# Altium PCB EPS.PcbDoc (part 2 of 2) (continued)
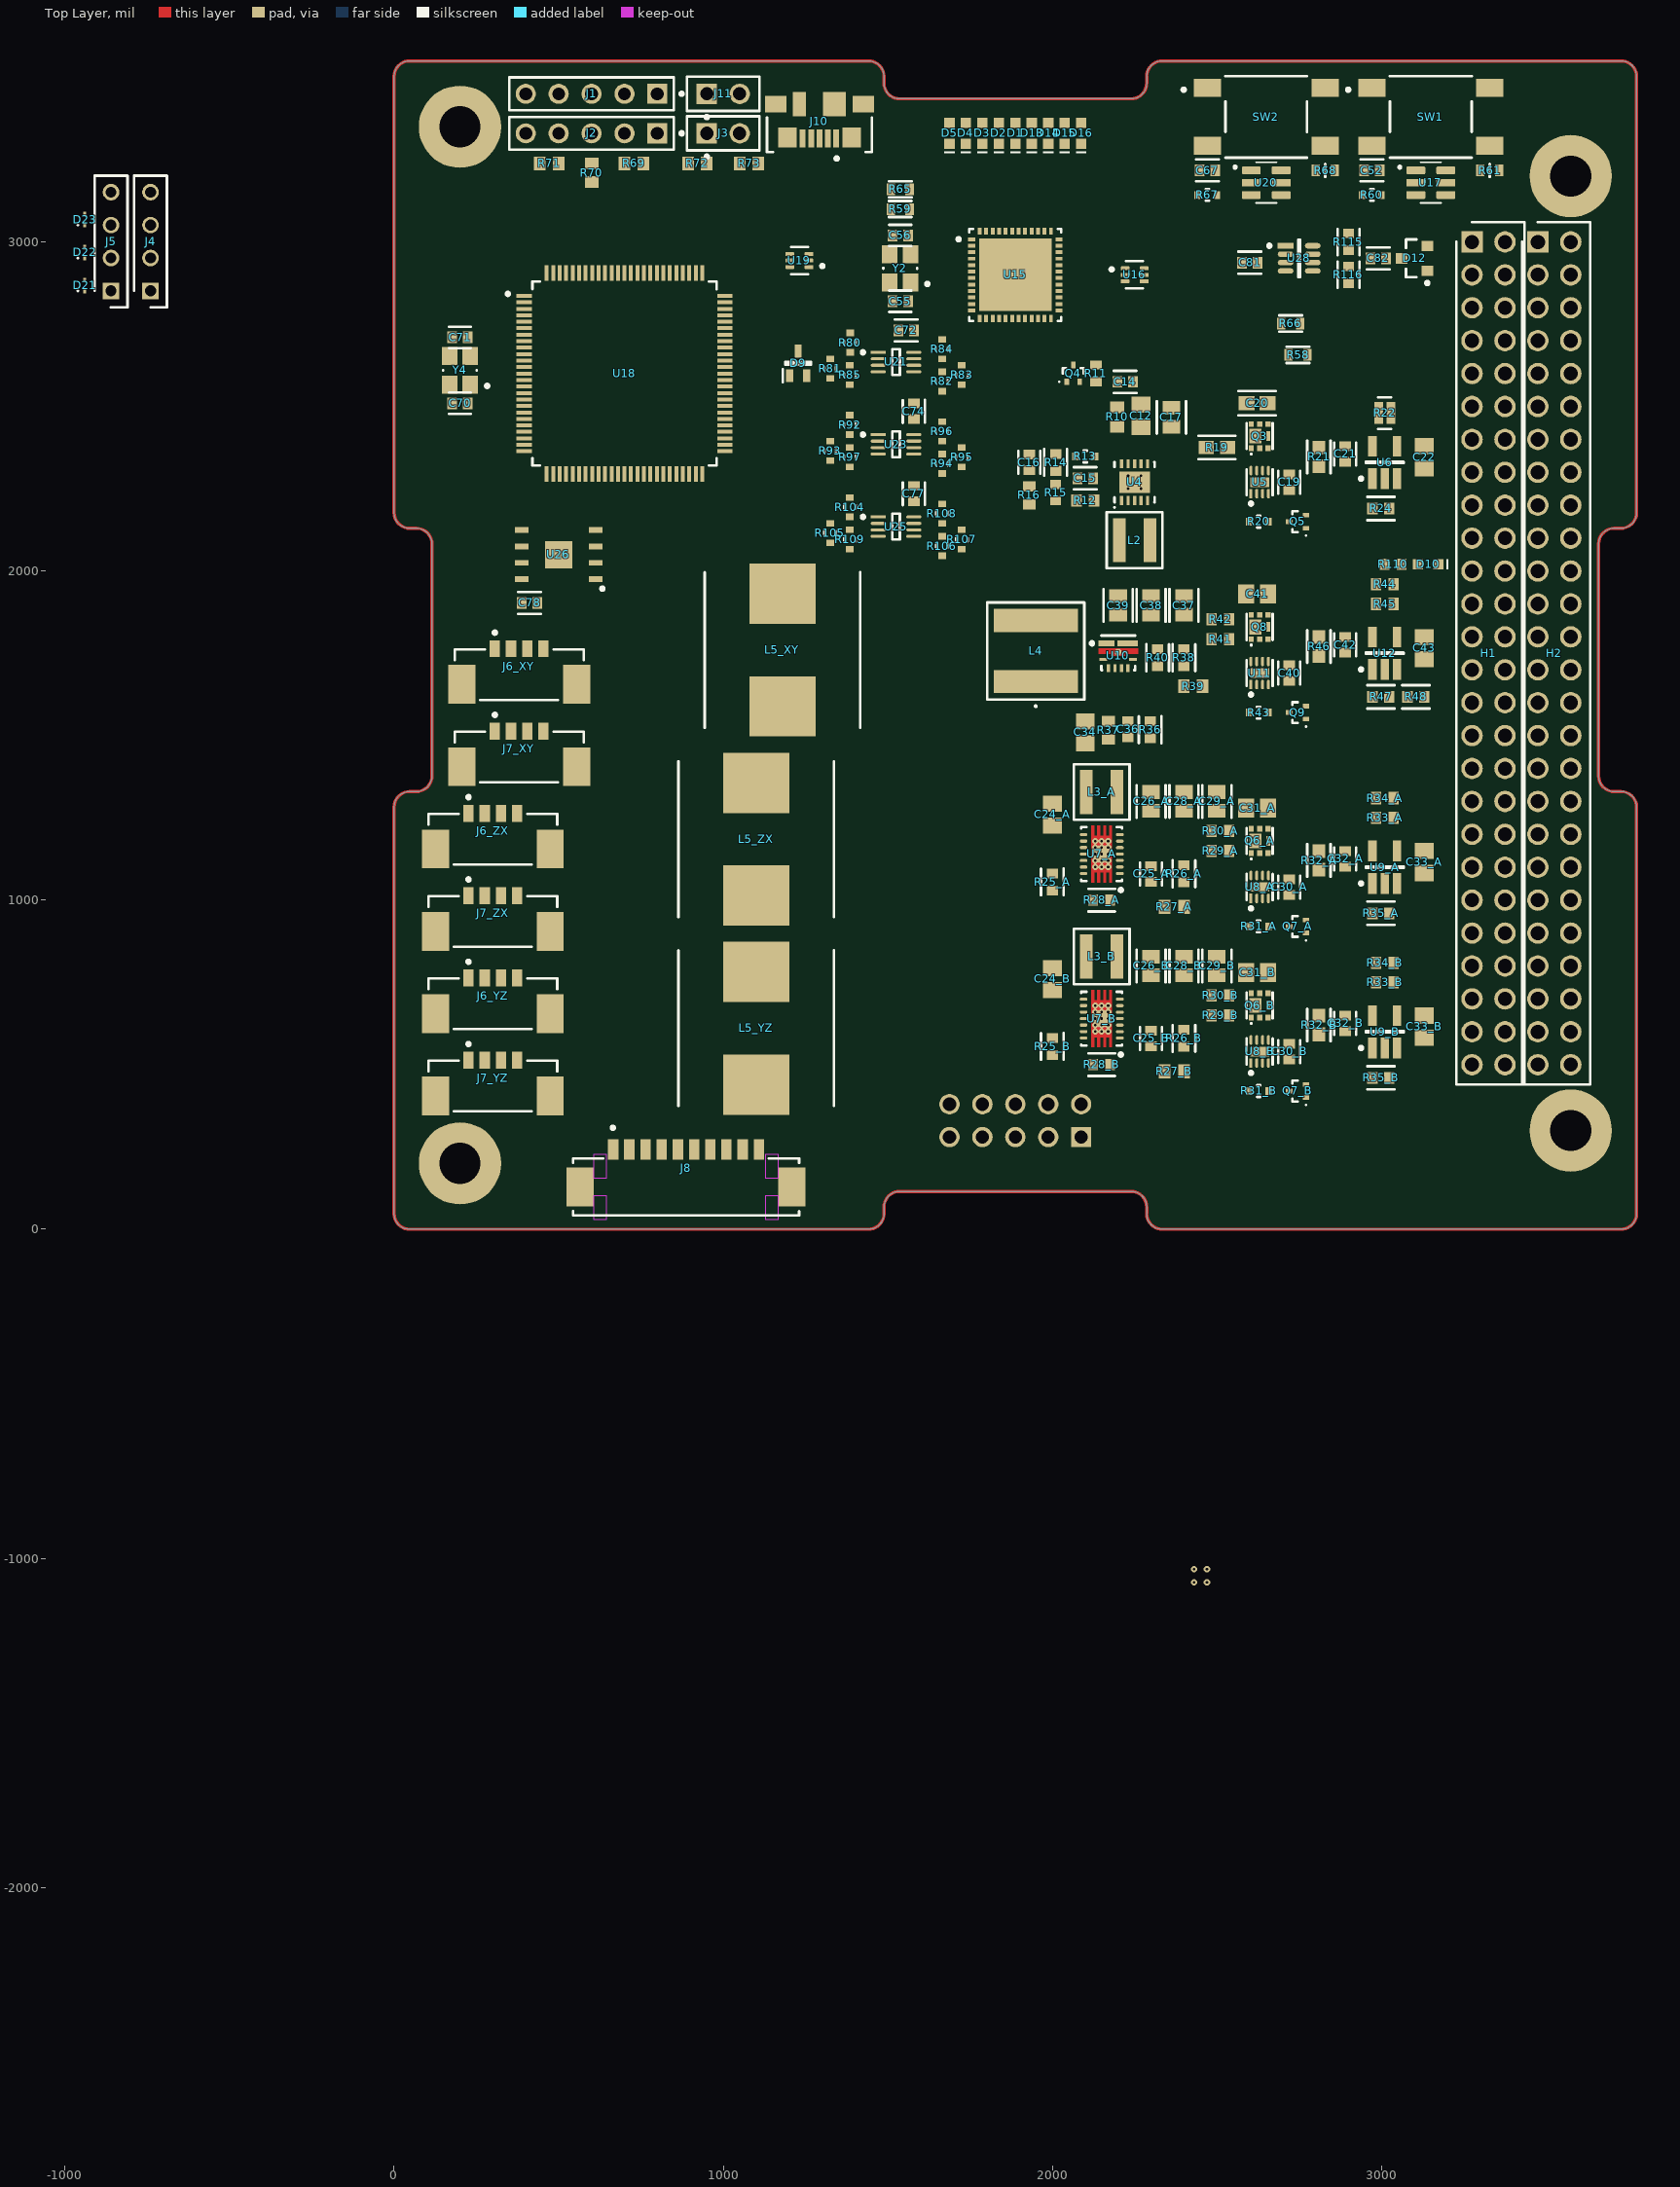
[diagram p0: Top Layer view]
## Part data (continued)
R7: library part CMP-26527-000571-1, "General Purpose Thick Film Chip Resistor, 0603, 0.5Ω, 1%, 300ppm/°C, 0.125W", Case Code (Imperial)=0603, Case Code (Metric)=1608, Max Operating Temperature=155°C, Max Power Dissipation=125mW, Min Operating Temperature=-55°C, Resistance=500mR, Resistor Type="Thick Film", Temperature Coefficient=300ppm/°C, Tolerance=1%, Case/Package=0603, Contact Plating=Tin, Height=0.022inch, Lead Free="Lead Free", Length=0.063inch, Mount="Surface Mount", Number of Terminations=2, Packaging="Tape and Reel", Power Rating=125mW, RoHS Compliant=Yes, Series=CSR, Size Code=0603, Width=0.031inch
R8: library part CMP-26527-001850-1, "General Purpose Thick Film Chip Resistor, 0603, 0.25Ω, 1%, 300ppm/°C, 0.125W", Case Code (Imperial)=0603, Case Code (Metric)=1608, Max Operating Temperature=155°C, Max Power Dissipation=125mW, Min Operating Temperature=-55°C, Resistance=250mR, Resistor Type="Thick Film", Temperature Coefficient=300ppm/°C, Tolerance=1%, Case/Package=0603, Contact Plating=Tin, Height=0.022inch, Lead Free="Lead Free", Length=0.063inch, Mount="Surface Mount", Number of Terminations=2, Packaging="Tape and Reel", RoHS Compliant=Yes, Series=CSR, Width=0.031inch
R11: library part CMP-2000-01849-1, Manufacturer="KOA Speer", Part Number=RK73B1JTTD101J
R15: library part CMP-2000-00577-1, Manufacturer=Panasonic, Part Number=ERJ-3EKF5763V
R16: library part CMP-2000-01876-1, Manufacturer="KOA Speer", Part Number=RK73B1JTTD153J
R19: library part CMP-26527-003125-1, "General Purpose Thick Film Chip Resistor, 0603, 0.2Ω, 1%, 300ppm/°C, 0.125W", Case Code (Imperial)=0603, Case Code (Metric)=1608, Max Operating Temperature=155°C, Max Power Dissipation=125mW, Min Operating Temperature=-55°C, Resistance=200mR, Resistor Type="Thick Film", Temperature Coefficient=300ppm/°C, Tolerance=1%, Case/Package=0603, Contact Plating=Tin, Height=0.022inch, Lead Free="Lead Free", Length=0.063inch, Mount="Surface Mount", Number of Terminations=2, Packaging="Tape and Reel", Radiation Hardening=No, RoHS Compliant=Yes, Series=CSR, Width=0.031inch
R21 R32_A R32_B R46 R53_M R53_N R117_XY R117_YZ R117_ZX R120_XY R120_YZ R120_ZX: library part CMP-2000-00870-2, "RES SMD 100 OHM 0.1% 1/10W 0603", Case Code (Imperial)=0603, Case Code (Metric)=1608, Max Operating Temperature=155°C, Max Power Dissipation=100mW, Min Operating Temperature=-55°C, Package Quantity=5000, Resistance=100R, Resistance Tolerance=0.1%, Resistor Type="Thin Film", Temperature Coefficient=25ppm/°C, Voltage Rating=75V, Case/Package=0603, Construction=Rectangular, Contact Plating=Tin, Depth=0.8mm, Height=0.45mm, Length=1.6mm, Military Standard=Not, Mount="Surface Mount", Number of Pins=2, Number of Terminations=2, Packaging="Tape and Reel", Power Rating=100mW, Radiation Hardening=No, REACH SVHC="No SVHC", RoHS Compliant=Yes, Series=ERA-3A, Size Code=0603, Technology="METAL FILM", Termination=SMD/SMT, Tolerance=0.1%, Width=0.8mm
R22 R118_XY R118_YZ R118_ZX R121_XY R121_YZ R121_ZX: library part CMP-28537-000948-1, "25 mOhms ±1% 0.33W Chip Resistor Wide 0306 (0816 Metric), Current Sense Thin Film", Case Code (Imperial)=0306, Case Code (Metric)=0816, Package Quantity=1000, Power Rating=330mW, Resistance=25mR, Temperature Coefficient=200ppm/°C, Tolerance=1%, Height=0.4mm, Length=1.6mm, Packaging="Tape and Reel", RoHS Compliant=Yes, Series=PRL, Technology="THIN FILM", Termination=SMD/SMT, Width=0.8mm
R24 R35_A R35_B R47 R48 R56_M R56_N R57_M R57_N R119_XY R119_YZ R119_ZX R122_XY R122_YZ R122_ZX: library part CMP-2000-00077-5, "RES SMD 4.99KOHM 0.1% 1/10W 0603", Case Code (Imperial)=0603, Case Code (Metric)=1608, Max Operating Temperature=155°C, Max Power Dissipation=100mW, Min Operating Temperature=-55°C, Package Quantity=5000, Resistance=4.99kR, Resistance Tolerance=0.1%, Resistor Type="Thin Film", Temperature Coefficient=25ppm/°C, Voltage Rating=150V, Voltage Rating (DC)=75V, Case/Package=0603, Construction=Rectangular, Contact Plating=Tin, Depth=0.8mm, Features="Automotive AEC-Q200", Height=0.45mm, Lead Free="Lead Free", Length=1.6mm, Military Standard=Not, Mount="Surface Mount", Number of Pins=2, Number of Terminations=2, Packaging="Tape and Reel", Power Rating=100mW, Radiation Hardening=No, Reach SVHC Compliant=Yes, RoHS Compliant=Yes, Series=ERA, Technology="METAL FILM", Termination=SMD/SMT, Tolerance=0.1%, Weight=7.1E-05oz, Width=0.8mm
R27_A R27_B: library part CMP-2000-01245-1, Manufacturer="KOA Speer", Part Number=RK73H1JTTD1803F
R29_A R29_B R30_A R30_B R33_A R33_B R34_A R34_B R41 R42 R44 R45 R49_M R49_N R50_M R50_N R54_M R54_N R55_M R55_N: library part CMP-2000-00867-1, Manufacturer=Panasonic, Part Number=ERJ-L03KF50MV
R37: library part CMP-2000-01698-1, Manufacturer="KOA Speer", Part Number=RK73H1JTTD8252F
R39: library part CMP-2000-00442-1, Manufacturer=Panasonic, Part Number=ERJ-3EKF3323V
R58 R59 R65 R66: library part CMP-00287-21317759-1, "ERJ-P03F1000V SMD Chip Resistor, 100 Ohm, ± 1%, 200 mW, 0603 [1608 Metric], Thick Film, Anti-Surge", Case Code (Imperial)=0603, Case Code (Metric)=1608, Max Operating Temperature=155°C, Min Operating Temperature=-55°C, Power Rating=200mW, Resistance=100Ω, Temperature Coefficient=200ppm/°C, Tolerance=1%, Voltage Rating=150V, Case/Package=0603, Composition="Thick Film", Contact Plating=Tin, Depth=800µm, Height=550µm, Length=1.6mm, Lifecycle Status=Production, Military Standard=Not, Mount="Surface Mount", NexarPartId=21317759, Number of Pins=2, Packaging="Cut Tape", Radiation Hardening=No, REACH SVHC="No SVHC", RoHS=Compliant, Schedule B="8533210045, 8533210045", Termination=Tab, Voltage Rating (DC)=150V
R61 R68 R111 R112 R124_XY R124_YZ R124_ZX R126 R127: library part CMP-2000-00875-2, Case Code (Imperial)=0603, Case Code (Metric)=1608, Max Operating Temperature=155°C, Max Power Dissipation=100mW, Min Operating Temperature=-55°C, Resistance=100kΩ, Temperature Coefficient=25ppm/°C, Tolerance=0.1%, Voltage Rating=75V, Case/Package=0603, Composition="Thin Film", Contact Plating=Tin, Depth=800µm, Features="Automotive AEC-Q200", Height=450µm, Lead Free="Lead Free", Length=1.6mm, Lifecycle Status=Production, Military Standard=Not, Mount="Surface Mount", NexarPartId=1243428, Number of Pins=2, Number of Terminations=2, Packaging="Cut Tape", Power Rating=100mW, Radiation Hardening=No, REACH SVHC="No SVHC", RoHS=Compliant, Schedule B="8533210045, 8533210045", Termination=SMD/SMT, Voltage Rating (DC)=75V, Width=800µm, Working Voltage=75V
R62 R63 R64 R69 R70 R71 R72 R73 R130 R131: library part CMP-2000-00538-1, Manufacturer=Panasonic, Part Number=ERJ-3EKF49R9V
R74 R75 R76 R77 R78 R110 R117 R118 R119 R120: library part CMP-2000-00435-2, "Chip Resistor, 330 Ohm, +/- 1%, 0.1 W, -55 to 155 degC, 0603 (1608 Metric), RoHS, Tape and Reel", Current Rating="500 mA", Max Operating Temperature="85 degC", Min Operating Temperature="-25 degC", Package Quantity=1500, Voltage Rating="10 V", ComponentLink1Description="Manufacturer URL", ComponentLink1URL=http://www.panasonic.com/, ComponentLink2Description=Datasheet, ComponentLink2URL=http://industrial.panasonic.com/cdbs/www-data/pdf/RDA0000/AOA0000C86.pdf, Contact Finish=Gold, Contact Material=Copper, Contact Plating=Gold, DatasheetVersion=Apr-15, Gender=Male, Height="1.45 mm", Lead Pitch="1.1 mm", Length="13.7 mm", Mating Cycles=10000, Mount="Surface Mount", PackageDescription="2-Pin Surface Mount Device, Body 1.6 x 0.85 mm", PackageReference=0603, Packaging="Tape and Reel", Pins=8, REACH SVHC="No SVHC", RoHSCompliant=true, Width="1.45 mm"
R113 R114 R115 R116: library part CMP-13261-005441-1, "Res Thick Film 0603 60.4Ω 1% 0.1W ±100ppm/°C Molded SMD T/R", Case Code (Imperial)=0603, Case Code (Metric)=1608, Max Operating Temperature=155°C, Max Power Dissipation=100mW, Min Operating Temperature=-55°C, Resistance=60.4R, Temperature Coefficient=100ppm/°C, Tolerance=1%, Voltage Rating (DC)=50V, Case/Package=0603, Composition="Thick Film", Contact Plating=Tin, Depth=0.8mm, Features="Moisture Resistant", Height=0.022inch, Lead Free="Lead Free", Length=0.063inch, Military Standard=Not, Number of Terminations=2, Packaging="Tape and Reel", Power Rating=100mW, Radiation Hardening=No, Width=0.031inch
R123_XY R123_YZ R123_ZX: library part CMP-2000-00690-5, "RES SMD 93.1K OHM 1% 1/10W 0603", Case Code (Imperial)=0603, Case Code (Metric)=1608, Max Operating Temperature=155°C, Max Power Dissipation=100mW, Min Operating Temperature=-55°C, Package Quantity=1, Resistance=93.1kR, Resistance Tolerance=1%, Resistor Type="Thick Film", Temperature Coefficient=100ppm/°C, Voltage Rating=75V, Voltage Rating (DC)=50V, Case/Package=0603, Construction=Rectangular, Contact Plating=Tin, Depth=0.8mm, Features="Automotive AEC-Q200", Height=0.022inch, Lead Free="Lead Free", Length=1.6mm, Military Standard=Not, Mount="Surface Mount", Number of Terminations=2, Packaging="Tape and Reel", Power Rating=100mW, Radiation Hardening=No, Reach SVHC Compliant=Yes, RoHS Compliant=Yes, Series=ERJ, Termination=SMD/SMT, Tolerance=1%, Weight=7.1E-05oz, Width=0.8mm
R125: library part CMP-2000-00414-2, Case Code (Imperial)=0603, Case Code (Metric)=1608, Max Operating Temperature=155°C, Max Power Dissipation=100mW, Min Operating Temperature=-55°C, Resistance=300kΩ, Temperature Coefficient=100ppm/°C, Tolerance=1%, Voltage Rating=75V, Case/Package=0603, Composition="Thick Film", Contact Plating=Tin, Depth=800µm, Features="Automotive AEC-Q200", Height=558.8µm, Lead Free="Lead Free", Length=1.6mm, Lifecycle Status=Production, Military Standard=Not, Mount="Surface Mount", NexarPartId=41621939, Number of Terminations=2, Packaging="Cut Tape", Power Rating=100mW, Radiation Hardening=No, REACH SVHC="No SVHC", RoHS=Compliant, Schedule B="8533210045, 8533210045", Termination=SMD/SMT, Voltage Rating (DC)=75V, Width=787.4µm
SW1 SW2: library part CMP-03402-000003-1, "SWITCH TACTILE SPST-NO 0.05A 24V", Contact Current Rating=50mA, Contact Resistance=100mΩ, Manufacturer="TE Connectivity", Operating Force=260gf, Package=0, Temperature="-35°C to +85°C", Temperature Range High=+85°C, Temperature Range Low=-35°C, Voltage Rating Dc=24V, Automotive=No, Category=Switch, ComponentLink2Description=Datasheet, ComponentLink2URL=https://www.te.com/commerce/DocumentDelivery/DDEController?Action=showdoc&DocId=Customer+Drawing%7F2-1437565-7%7FV%7Fpdf%7FEnglish%7FENG_CD_2-1437565-7_V.pdf%7F2-1437565-8, Device Class L1=Electromechanical, Device Class L2=Switches, Device Class L3="Pushbutton Switches", Digikey Description="SWITCH TACTILE SPST-NO 0.05A 24V", Electromechanical Life=100000Cycles, Height=4.59mm, Lead Free=Yes, Manufacturer Part Number=FSM2JSMAA, Mount="Surface Mount", Mouser Description="Tactile Switches TACTILE 260G FORCE S", Octopart=https://octopart.com/fsm2jsmaa-te+connectivity-41720620, RoHS=TRUE, Standoff Height=0.05mm, Throw Configuration=SPST-NO
U1 U4: library part CMP-0492-00076-1, "Wide Input Voltage Synchronous Buck-Boost DC/DC Converter, 10-pin SON (DD-10), -40 to 85 degC, Pb-Free", Frequency Adjust Range="300kHz - 2MHz", Manufacturer="Linear Technology", Code_JEDEC=MO-229, ComponentLink1Description="Manufacturer URL", ComponentLink1URL=http://www.linear.com/, ComponentLink2Description=Datasheet, ComponentLink2URL=http://cds.linear.com/docs/en/datasheet/3530fb.pdf, ComponentLink3Description="Package Specification", ComponentLink3URL=http://cds.linear.com/docs/en/packaging/DFN_10_05-08-1699.pdf, DatasheetVersion="Rev. B", Mounting Technology="Surface Mount", Number Of Outputs=1, PackageDescription="10-Pin Plastic DFN, Body 3 x 3 mm, Pitch 0.5 mm", PackageReference=DD-10, PackageVersion="Rev. C, 06/2010", PartNumber=LTC3530EDD#PBF, RoHS=TRUE
U2 U3 U5 U8_A U8_B U11 U13_M U13_N: library part CMP-0474-00015-2, "IC OVP/OCP PROTECTION CTLR 8DFN", Case/Package=DFN, Package Quantity=2500, Number of Circuits=1, Number of Pins=8, Packaging="Tape and Reel", RoHS Compliant=Yes
U6 U9_A U9_B U12 U14_M U14_N U29_XY U29_YZ U29_ZX U30_XY U30_YZ U30_ZX: library part CMP-0359-01984-2, "Single Channel, Low Cost, High Side Current Sense Operational Amplifier, 0.2 MHz Typical GBW, 5-Pin SOT-23 (S5-5), High Temperature / Automotive, Pb-Free, Reel", Linear Technology Part Number=LT6106, Manufacturer="Linear Technology", Channels (#)=1, Code_JEDEC=MO-193, ComponentLink1Description="Manufacturer URL", ComponentLink1URL=http://www.linear.com/, ComponentLink2Description=Datasheet, ComponentLink2URL=http://cds.linear.com/docs/en/datasheet/6106fa.pdf, ComponentLink3Description="Package Specification", ComponentLink3URL=http://cds.linear.com/docs/en/packaging/SOT_5_05-08-1635.pdf, DatasheetVersion="Rev. A", GBW (MHz) Typical=0.2, Is (mA) Typical=0.06, Mounting Technology="Surface Mount", PackageDescription="5-Lead Plastic TSOT-23, Body 1.63 x 2.90 mm, Pitch 0.95 mm", PackageReference=LT-S5-5-TSOT-23, Packing=Reel, PartNumber=LT6106HS5#TRPBF, RevisionNote="URLs updated", RoHS=Pb-Free, Type=CSA, Vos (mV) Guaranteed=0.25, Vos (mV) Typical=0.15, Vs Max (V)=36, Vs Min (V)=2.7
U7_A U7_B: library part CMP-04918-000114-1, "IC REG BCK BST ADJ 3.5A 14VSON", Manufacturer="Texas Instruments", Max Junction Temp=+125°C, Max Supply Voltage=5.5V, Min Supply Voltage=1.8V, Nominal Supply Current=5-25uA, Output Current=2A, Output Voltage=1.2-5.5V, Package=DSJ0014A, Switching Frequency=2400kHz, Temperature="-40°C to +125°C", Temperature Range Low=-40°C, Automotive=Yes, Automotive Grade="Grade 1", Category=IC, ComponentLink2Description=Datasheet, ComponentLink2URL=http://www.ti.com/lit/ds/symlink/tps63020-q1.pdf, Device Class L1="Integrated Circuits (ICs)", Device Class L2="Power Management ICs", Device Class L3="Voltage Regulators - Switching", Digikey Description="IC REG BCK BST ADJ 3.5A 14VSON", Height=1mm, Lead Free=Yes, Manufacturer Part Number=TPS63020QDSJRQ1, Max Duty Cycle=100%, Mouser Description="Switching Voltage Regulators Single Inductor Buck Boost Converter", Number Of Outputs=1, Octopart=https://octopart.com/tps63020qdsjrq1-texas+instruments-66805608, Output Type=AdjustableProgrammable, RoHS=TRUE, Standoff Height=0mm, Switching Topology=Buck-Boost, Temperature Range High=+125°C
U10: library part CMP-04918-000693-1, "IC REG BOOST 5.1V 6.5A 9VQFN", Case/Package=VQFN, Max Input Voltage=4.5V, Max Operating Temperature=85°C, Min Input Voltage=2.3V, Min Operating Temperature=-40°C, Min Output Voltage=5.1V, Output Current=6.5A, Quiescent Current=10uA, Switching Frequency=1MHz, Lead Free="Lead Free", Mount="Surface Mount", Number Of Outputs=1, Number of Pins=9, Output Configuration=Positive, Output Type=Fixed, Packaging="Cut Tape", RoHS Compliant=Yes, Synchronous Rectifier=Yes, Topology=Boost
U15: library part CMP-12105-000040-2, "IC MCU 32BIT 512KB FLASH 48QFPN", Ambient Temperature Range High=85°C, Frequency=80MHz, Max Junction Temperature (Tj)=105°C, Max Supply Voltage=3.6V, Min Operating Temperature=-40°C, Min Supply Voltage=1.71V, Nominal Supply Current=30nA, Core Architecture="ARM Cortex-M4", Data Bus Width=32b, Flash Memory Size=512kB, Height=650µm, Interface="CAN, I2C, SPI, UART, USART, USB", Lifecycle Status=Production, Max Operating Temperature=85°C, Memory Size=512kB, Memory Type=FLASH, NexarPartId=78661784, Number of A/D Converters=1, Number of ADC Channels=10, Number of Channels=10, Number of D/A Converters=1, Number of I2C Channels=4, Number of I/Os=38, Number of PWM Channels=15, Number of SPI Channels=3, Number of Timers/Counters=1, Number of UART Channels=1, Number of USART Channels=3, Number of USB Channels=1, RAM Size=160kB, RoHS=Non-Compliant
U16 U19: library part CMP-0859-00812-4, "IC BUFFER NON-INVERT 5.5V 6SOT", Case/Package=SOT, High Level Output Current=-32mA, Low Level Output Current=32mA, Max Operating Temperature=125°C, Max Supply Voltage=5.5V, Min Operating Temperature=-40°C, Min Supply Voltage=1.65V, Package Quantity=4000, Quiescent Current=10uA, Contact Plating=Gold, Lead Free="Lead Free", Logic Function=Buffer, Mount="Surface Mount", Number of Bits=2, Number of Bits per Element=1, Number of Channels=2, Number of Elements=2, Number of Gates=2, Number of Input Lines=2, Number Of Inputs=2, Number of Output Lines=2, Number Of Outputs=2, Number of Pins=6, Packaging="Tape and Reel", Polarity=Non-Inverting, Propagation Delay=8.6ns, Radiation Hardening=No, REACH SVHC="No SVHC", RoHS Compliant=Yes, Series=74LVC, Technology=CMOS, Turn-On Delay Time=8.6ns
U17 U20: library part CMP-049-000000-1, "Automotive AEC-Q100, nano-powered system timer with watchdog function", Package="SOT-23-THN-6 Texas Instruments", Check_prices=https://www.snapeda.com/parts/TPL5010QDDCTQ1/Texas+Instruments/view-part/?ref=eda, Component Type=Standard, Design Item ID=TPL5010QDDCTQ1, MF="Texas Instruments", MP=TPL5010QDDCTQ1, Pin Count=6, SnapEDA_Link=https://www.snapeda.com/parts/TPL5010QDDCTQ1/Texas+Instruments/view-part/?ref=snap, Source=TPL5010QDDCTQ1.SchLib
U18: library part CMP-12105-000032-1, "IC MCU 32BIT 1MB FLASH 100LQFP", Ambient Temperature Range High=+85°C, Ambient Temperature Range Low=-40°C, Frequency=80MHz, Manufacturer=STMicroelectronics, Max Junction Temp=+105°C, Max Supply Voltage=3.6V, Min Supply Voltage=1.05V, Package=LQFP100-1L, Temperature="-40°C to +85°C", Automotive=No, Category=IC, ComponentLink2Description=Datasheet, ComponentLink2URL=https://www.st.com/content/ccc/resource/technical/document/datasheet/group3/3f/73/19/d1/d4/9e/48/34/DM00284211/files/DM00284211.pdf/jcr:content/translations/en.DM00284211.pdf, Core Architecture="ARM Cortex-M4", Data Bus Width=32bits, Device Class L1="Integrated Circuits (ICs)", Device Class L2="Embedded Processors and Controllers", Device Class L3=Microcontrollers, Digikey Description="IC MCU 32BIT 1MB FLASH 100LQFP", Height=1.6mm, Interface=I2C,SPI,UART,USART,CAN,USB,LIN,IrDA,Other, Lead Free=Yes, Manufacturer Part Number=STM32L496VGT6, Memory Size=1MBytes, Memory Type=FLASH,SRAM, Number of A/D Converters=3, Number of ADC Channels=16, Number Of Cores=1, Number of I2C Channels=4, Number of I/Os=83, Number of PWM Channels=2, Number of SPI Channels=3, Number of Timers/Counters=16, Number of UART Channels=6, Number of USB Channels=1, Octopart=https://octopart.com/stm32l496vgt6-stmicroelectronics-80826723, RAM Size=320KBytes, RoHS=TRUE, Standoff Height=0.05mm, Temperature Range High=+85°C, Temperature Range Low=-40°C
U21 U22 U23 U24 U25: library part CMP-0859-00599-4, "IC GATE OR 2CH 2-INP 8VSSOP", Case/Package=VSSOP, High Level Output Current=-32mA, Low Level Output Current=32mA, Max Operating Temperature=125°C, Max Supply Voltage=5.5V, Min Operating Temperature=-40°C, Min Supply Voltage=1.65V, Operating Supply Voltage=3.3V, Package Quantity=1, Quiescent Current=10uA, Contact Plating=Gold, Lead Free="Lead Free", Logic Function="OR GATE", Max Output Current=32mA, Mount="Surface Mount", Number of Bits=2, Number of Circuits=2, Number of Elements=2, Number of Gates=2, Number of Input Lines=2, Number Of Inputs=2, Number of Output Lines=1, Number Of Outputs=1, Number of Pins=8, Output Current=32mA, Packaging="Tape and Reel", Propagation Delay=3.2ns, Radiation Hardening=No, REACH SVHC="No SVHC", RoHS Compliant=Yes, Series=74LVC, Technology=CMOS, Termination=SMD/SMT, Turn-On Delay Time=3.2ns, Weight=0.000339oz
U26: "Integrated Circuit", Manufacturer_Name="Everspin Technologies", Mouser Part Number=936-MR25H40MDF, Arrow Part Number=MR25H40MDF, Arrow Price/Stock=https://www.arrow.com/en/products/mr25h40mdf/everspin-technologies?utm_currency=USD&region=europe, Datasheet Link=https://datasheet.datasheetarchive.com/originals/distributors/Datasheets-DGA23/1514724.pdf, Height=0.9mm, Manufacturer_Part_Number=MR25H40MDF, Mouser Price/Stock=https://www.mouser.co.uk/ProductDetail/Everspin-Technologies/MR25H40MDF?qs=laR3Dyet2Vc5UBOlfE70WA%3D%3D
U27 U28: library part CMP-04872-000198-1, "IC TRANSCEIVER 1/1 SOT23-8", Case/Package=SOT-23, Max Operating Temperature=125°C, Max Supply Voltage=3.6V, Min Operating Temperature=-40°C, Min Supply Voltage=3V, Interface=CAN, Lead Free="Lead Free", Number of Pins=8, Packaging="Cut Tape", REACH SVHC="No SVHC", RoHS Compliant=Yes
U31_XY U31_YZ U31_ZX U33: library part CMP-04895-000170-1, "IC CMOS 1 CIRCUIT SC70-5", Max Operating Temperature=125°C, Min Operating Temperature=-40°C, Gain Bandwidth Product=3MHz, Lead Free="Lead Free", Number of Channels=1, Number of Pins=5, RoHS Compliant=Yes
U32_XY U32_YZ U32_ZX: "Integrated Circuit", Manufacturer_Name="Texas Instruments", Mouser Part Number=595-CSD17318Q2, Arrow Part Number=CSD17318Q2, Arrow Price/Stock=https://www.arrow.com/en/products/csd17318q2/texas-instruments?utm_currency=USD&region=nac, Datasheet Link=https://www.ti.com/lit/ds/symlink/csd17318q2.pdf?ts=1704287484498&ref_url=https%253A%252F%252Fwww.ti.com%252Fproduct%252FCSD17318Q2, Height=0.8mm, Manufacturer_Part_Number=CSD17318Q2, Mouser Price/Stock=https://www.mouser.co.uk/ProductDetail/Texas-Instruments/CSD17318Q2?qs=HXFqYaX1Q2yFLkhHL33iLQ%3D%3D
Y1 Y3: library part CMP-200220-000018-1, "CRYSTAL 32.7680KHZ 6PF SMD", Case/Package=SMD/SMT, ESR (Equivalent Series Resistance)=70kR, Frequency=32.768kHz, Load Capacitance=6pF, Max Operating Temperature=85°C, Min Operating Temperature=-40°C, Ratings=AEC-Q200, Mount="Surface Mount", Packaging="Tape and Reel"
Y2 Y4: library part CMP-200220-000007-1, "CRYSTAL 16.0000MHZ 8PF SMD", Case/Package=SMD/SMT, ESR (Equivalent Series Resistance)=80R, Frequency=16MHz, Frequency Stability=30ppm, Frequency Tolerance=20ppm, Load Capacitance=8pF, Max Operating Temperature=85°C, Min Operating Temperature=-40°C, Package Quantity=3000, Height=0.035inch, Length=0.126inch, Mount="Surface Mount", Number of Pins=4, Packaging="Tape and Reel", Width=0.098inch

## Free pads (board coordinates)
  round 250 hole 125.2: 1(200,3350) 2(3575.2,3200) 3(3575.2,300) 4(200,200)

## Via types
v1: diameter 19.68, hole 7.87, Top Layer to Bottom Layer, 38 vias

## Nets (pads, with @x,y where several pads share a name; then routed paths per layer and width w, separated by ;. In a path a pad name is that pad's centre, name@x,y a point inside that pad or via, vN(x,y) a via of type N, cw(c..) or ccw(c..) an arc to the next point about the centre after c; other vN are vias at no path point)
3V3_1: C33_A.2 H1.47 H1.48 H1.49 R33_A.2 R34_A.2 U9_A.4
3V3_2: C33_B.2 H1.50 H1.51 H1.52 R33_B.2 R34_B.2 U9_B.4
5V0: C43.2 H1.25 H1.26 H2.25 H2.26 R44.2 R45.2 R110.1 U12.4
5V_INACT: R40.2 U10.8 U18.83
5V_OCP-PG: U11.5 U18.85
ADC1_IN5: R56_M.2 R57_M.1 U18.23
ADC1_IN6: R56_N.2 R57_N.1 U18.24
ADC1_IN7: C97.1 U18.25 U33.3 U33.4
ADC1_IN8: R119_XY.1 U18.26 U29_XY.1
ADC1_IN9: R122_XY.1 U18.29 U30_XY.1
ADC1_IN10: C87_XY.1 U18.30 U31_XY.3 U31_XY.4
ADC1_IN11: R119_ZX.1 U18.31 U29_ZX.1
ADC1_IN12: R122_ZX.1 U18.32 U30_ZX.1
ADC1_IN13: C87_ZX.1 U18.33 U31_ZX.3 U31_ZX.4
ADC1_IN14: R119_YZ.1 U18.34 U29_YZ.1
ADC1_IN15: R122_YZ.1 U18.35 U30_YZ.1
ADC1_IN16: C87_YZ.1 U18.36 U31_YZ.3 U31_YZ.4
ADC3_IN1: R24.1 U6.1 U18.15
ADC3_IN2: R35_A.1 U9_A.1 U18.16
ADC3_IN3: R35_B.1 U9_B.1 U18.17
ADC3_IN4: R47.2 R48.1 U18.18
ADC_SR1: J8.1 U15.10
ADC_SR2: J8.2 U15.11
ADC_SR3: J8.3 U15.14
ADC_SR4: J8.4 U15.15
CAN1_RX: U18.81 U27.1
CAN1_TX: U18.82 U27.4
CAN2_RX: U18.51 U28.1
CAN2_TX: U18.52 U28.4
CAN_A_H: D11.2 H1.3 R113.1 U27.7
CAN_A_L: D11.1 H1.1 R114.2 U27.6
CAN_B_H: D12.2 H1.2 R115.1 U28.7
CAN_B_L: D12.1 H1.4 R116.2 U28.6
DEBUG_LED1: D1.1 U18.88
DEBUG_LED1_SR: D13.1 U15.25
DEBUG_LED2: D2.1 U18.55
DEBUG_LED2_SR: D14.1 U15.26
DEBUG_LED3: D3.1 U18.56
DEBUG_LED3_SR: D15.1 U15.27
DEBUG_LED4: D4.1 U18.57
DEBUG_LED4_SR: D16.1 U15.28
DEBUG_LED5: D5.1 U18.58
DEBUG_UART_RX: D8.1 J4.3 U18.93
DEBUG_UART_TX: D7.1 J4.2 U18.68
DONE: U18.37 U20.4
DONE_SR: U15.33 U17.4
EN_3V3_1: Q7_A.1 R91.2 U22.3
EN_3V3_1_BUCK: R25_A.2 R90.2 U7_A.12 U22.7
EN_3V3_1_BUCK_EPS: R87.2 U18.1 U22.2
EN_3V3_1_BUCK_SR: R86.2 U15.41 U22.1
EN_3V3_1_EPS: R89.2 U18.2 U22.6
EN_3V3_1_SR: R88.2 U15.42 U22.5
EN_3V3_2: Q7_B.1 R97.2 U23.3
EN_3V3_2_BUCK: R25_B.2 R96.2 U7_B.12 U23.7
EN_3V3_2_BUCK_EPS: R93.2 U18.3 U23.2
EN_3V3_2_BUCK_SR: R92.2 U15.43 U23.1
EN_3V3_2_EPS: R95.2 U18.4 U23.6
EN_3V3_2_SR: R94.2 U15.45 U23.5
EN_5V: Q9.1 R103.2 U24.3
EN_5V_BOOST: R36.1 R102.2 U10.7 U24.7
EN_5V_BOOST_EPS: R99.2 U18.5 U24.2
EN_5V_BOOST_SR: R98.2 U15.46 U24.1
EN_5V_EPS: R101.2 U18.38 U24.6
EN_5V_SR: R100.2 U15.2 U24.5
EN_MCU_3V3: Q5.1 R85.2 U21.3
EN_MCU_3V3_EPS: R83.2 U18.98 U21.6
EN_MCU_3V3_SR: R82.2 U15.20 U21.5
EN_MCU_BUCK: Q4.1 R84.2 U21.7
EN_MCU_BUCK_EPS: R81.2 U18.97 U21.2
EN_MCU_BUCK_SR: R80.2 U15.19 U21.1
EN_UNREG1: Q12_M.1 R108.2 U25.7
EN_UNREG1_EPS: R105.2 U18.39 U25.2
EN_UNREG1_SR: R104.2 U15.17 U25.1
EN_UNREG2: Q12_N.1 R109.2 U25.3
EN_UNREG2_EPS: R107.2 U18.40 U25.6
EN_UNREG2_SR: R106.2 U15.16 U25.5
EPS_2_OBC: H1.15 R66.1
EPS_2_SR: R65.1 U16.1
GND: C1.1 C2.1 C3.2 C6.2 C7.2 C8.2 C9.2 C10.2 C11.2 C12.1 C13.1 C14.2 C17.2 C18.2 C19.2 C20.2 C21.2 C22.1 C23_A.1 C23_B.1 C24_A.1 C24_B.1 C25_A.2 C25_B.2 C26_A.2 C26_B.2 C27_A.2 C27_B.2 C28_A.2 C28_B.2 C29_A.2 C29_B.2 C30_A.2 C30_B.2 C31_A.1 C31_B.1 C32_A.2 C32_B.2 C33_A.1 C33_B.1 C34.1 C35.1 C36.1 C37.2 C38.2 C39.2 C40.2 C41.1 C42.2 C43.1 C44_M.2 C44_N.2 C45_M.1 C45_N.1 C46_M.2 C46_N.2 C47_M.1 C47_N.1 C48.2 C49.2 C50.2 C51.1 C52.2 C53.2 C54.2 C55.2 C56.2 C57.2 C58.2 C59.2 C60.2 C61.2 C62.2 C63.2 C64.1 C65.1 C66.2 C67.2 C68.2 C69.2 C70.2 C71.2 C72.1 C73.1 C74.1 C75.1 C77.1 C78.2 C79.2 C80.2 C81.2 C82.2 C83_XY.2 C83_YZ.2 C83_ZX.2 C85_XY.2 C85_YZ.2 C85_ZX.2 C87_XY.2 C87_YZ.2 C87_ZX.2 C88.2 C89.2 C90.2 C91.2 C92.2 C93.2 C94.2 C95.2 C96.2 C97.2 C98.2 C104_XY.2 C104_YZ.2 C104_ZX.2 D6.2 D7.2 D8.2 D10.1 D11.3 D12.3 D17.2 D18.2 D19.2 D20.2 D21.2 D22.2 D23.2 H1.33 H1.34 H2.29 H2.30 H2.31 H2.32 H2.50 H2.52 J1.5 J2.5 J4.4 J5.4 J6_XY.3 J6_XY.4 J6_XY.5 J6_XY.6 J6_YZ.3 J6_YZ.4 J6_YZ.5 J6_YZ.6 J6_ZX.3 J6_ZX.4 J6_ZX.5 J6_ZX.6 J7_XY.3 J7_XY.4 J7_XY.5 J7_XY.6 J7_YZ.3 J7_YZ.4 J7_YZ.5 J7_YZ.6 J7_ZX.3 J7_ZX.4 J7_ZX.5 J7_ZX.6 J8.11 J8.12 J9.5 J9.6 J9.7 J9.8 J10.5 J10.6 J10.7 J10.8 J10.9 J10.10 J10.11 Q4.2 Q5.2 Q7_A.2 Q7_B.2 Q9.2 Q12_M.2 Q12_N.2 R2.1 R5.1 R9.2 R12.1 R15.1 R24.2 R25_A.1 R25_B.1 R27_A.1 R27_B.1 R35_A.2 R35_B.2 R36.2 R37.1 R39.1 R48.2 R57_M.2 R57_N.2 R60.1 R67.1 R80.1 R81.1 R82.1 R83.1 R84.1 R85.1 R86.1 R87.1 R88.1 R89.1 R90.1 R91.1 R92.1 R93.1 R94.1 R95.1 R96.1 R97.1 R98.1 R99.1 R100.1 R101.1 R102.1 R103.1 R104.1 R105.1 R106.1 R107.1 R108.1 R109.1 R119_XY.2 R119_YZ.2 R119_ZX.2 R122_XY.2 R122_YZ.2 R122_ZX.2 R124_XY.2 R124_YZ.2 R124_ZX.2 R126.2 U1.5 U1.11 U2.1 U2.4 U2.9 U3.1 U3.9 U4.5 U4.11 U5.1 U5.9 U6.2 U7_A.2 U7_A.15 U7_B.2 U7_B.15 U8_A.1 U8_A.9 U8_B.1 U8_B.9 U9_A.2 U9_B.2 U10.1 U10.5 U11.1 U11.9 U12.2 U13_M.1 U13_M.9 U13_N.1 U13_N.9 U14_M.2 U14_N.2 U15.8 U15.23 U15.35 U15.47 U15.49 U16.2 U17.2 U18.10 U18.19 U18.20 U18.27 U18.49 U18.74 U18.99 U19.2 U20.2 U21.4 U22.4 U23.4 U24.4 U25.4 U26.4 U26.9 U27.2 U28.2 U29_XY.2 U29_YZ.2 U29_ZX.2 U30_XY.2 U30_YZ.2 U30_ZX.2 U31_XY.2 U31_YZ.2 U31_ZX.2 U32_XY.4 U32_XY.7 U32_YZ.4 U32_YZ.7 U32_ZX.4 U32_ZX.7 U33.2 Y2.2 Y2.4 Y4.2 Y4.4
  other v1: 2430.31,-1072.78 2469.68,-1072.78 2430.31,-1033.41 2469.68,-1033.41 2130.32,600.63 2150,600.63 2169.68,600.63 2130.32,620.31 2150,620.31 2169.68,620.31 2130.32,640 2150,640 2169.68,640 2130.32,659.68 2150,659.68 2169.68,659.68 2130.32,679.37 2150,679.37 2169.68,679.37 2130.32,1100.63 2150,1100.63 2169.68,1100.63 2130.32,1120.31 2150,1120.31 2169.68,1120.31 2130.32,1140 2150,1140 2169.68,1140 2130.32,1159.68 2150,1159.68 2169.68,1159.68 2130.32,1179.37 2150,1179.37 2169.68,1179.37 2230.31,2250.32 2269.68,2250.32 2230.31,2289.69 2269.68,2289.69
I2C1_SCL: J8.7 R128.1 U18.92
I2C1_SDA: J8.8 R129.1 U18.96
KS_OPEN: H2.51
Mppt_PWM1: U18.59 U32_XY.3
Mppt_PWM2: U18.60 U32_ZX.3
Mppt_PWM3: U18.61 U32_YZ.3
nCubeReset: H2.47
nEN_EPS_3V3: R9.1 U3.4 U15.18
NetC3_1: C3.1 R1.1 U1.8
NetC4_1: C4.1 U1.10
NetC4_2: C4.2 R3.1
NetC5_1: C5.1 C6.1 C7.1 R4.1 R7.1 R8.1 U1.6 U2.8 U3.8
NetC5_2: C5.2 R6.2
NetC8_1: C8.1 Q1.3 U2.6
NetC10_1: C10.1 Q2.3 U3.6
NetC14_1: C14.1 R10.1 R11.2 U4.8
NetC15_1: C15.1 U4.10
NetC15_2: C15.2 R13.1
NetC16_1: C16.1 C17.1 C18.1 R14.1 R19.1 R20.1 U4.6 U5.8
NetC16_2: C16.2 R16.2
NetC19_1: C19.1 Q3.3 U5.6
NetC20_1: C20.1 C21.1 Q3.4 Q3.7 R21.1 R22.1 U5.3 U6.5
NetC25_A_1: C25_A.1 U7_A.1
NetC25_B_1: C25_B.1 U7_B.1
NetC26_A_1: C26_A.1 C27_A.1 C28_A.1 C29_A.1 R26_A.2 R28_A.2 R29_A.1 R30_A.1 R31_A.1 U7_A.4 U7_A.5 U8_A.8
NetC26_B_1: C26_B.1 C27_B.1 C28_B.1 C29_B.1 R26_B.2 R28_B.2 R29_B.1 R30_B.1 R31_B.1 U7_B.4 U7_B.5 U8_B.8
NetC30_A_1: C30_A.1 Q6_A.3 U8_A.6
NetC30_B_1: C30_B.1 Q6_B.3 U8_B.6
NetC31_A_2: C31_A.2 C32_A.1 Q6_A.4 Q6_A.7 R32_A.1 R33_A.1 R34_A.1 U8_A.3 U9_A.5
NetC31_B_2: C31_B.2 C32_B.1 Q6_B.4 Q6_B.7 R32_B.1 R33_B.1 R34_B.1 U8_B.3 U9_B.5
NetC36_2: C36.2 R37.2 U10.4
NetC37_1: C37.1 C38.1 C39.1 R38.1 R40.1 R41.1 R42.1 R43.1 U10.9 U11.8
NetC40_1: C40.1 Q8.3 U11.6
NetC41_2: C41.2 C42.1 Q8.4 Q8.7 R44.1 R45.1 R46.1 U11.3 U12.5
NetC44_M_1: C44_M.1 Q10_M.3 Q11_M.3 U13_M.6
NetC44_N_1: C44_N.1 Q10_N.3 Q11_N.3 U13_N.6
NetC45_M_2: C45_M.2 C46_M.1 Q11_M.1 Q11_M.2 Q11_M.5 Q11_M.6 Q11_M.8 R53_M.1 R54_M.1 R55_M.1 U13_M.3 U14_M.5
NetC45_N_2: C45_N.2 C46_N.1 Q11_N.1 Q11_N.2 Q11_N.5 Q11_N.6 Q11_N.8 R53_N.1 R54_N.1 R55_N.1 U13_N.3 U14_N.5
NetC80_1: C80.1 R113.2 R114.1
NetC82_1: C82.1 R115.2 R116.1
NetC96_1: C96.1 R125.2 R126.1 U33.1
NetC104_XY_1: C104_XY.1 R123_XY.2 R124_XY.1 U31_XY.1
NetC104_YZ_1: C104_YZ.1 R123_YZ.2 R124_YZ.1 U31_YZ.1
NetC104_ZX_1: C104_ZX.1 R123_ZX.2 R124_ZX.1 U31_ZX.1
NetD1_2: D1.2 R74.2
NetD2_2: D2.2 R75.2
NetD3_2: D3.2 R76.2
NetD4_2: D4.2 R77.2
NetD5_2: D5.2 R78.2
NetD6_1: D6.1 J4.1
NetD10_2: D10.2 R110.2
NetD13_2: D13.2 R117.2
NetD13_XY_1: D13_XY.1 R117_XY.1 R118_XY.1
NetD13_XY_2: D13_XY.2 J6_XY.1 J6_XY.2
NetD13_YZ_1: D13_YZ.1 R117_YZ.1 R118_YZ.1
NetD13_YZ_2: D13_YZ.2 J6_YZ.1 J6_YZ.2
NetD13_ZX_1: D13_ZX.1 R117_ZX.1 R118_ZX.1
NetD13_ZX_2: D13_ZX.2 J6_ZX.1 J6_ZX.2
NetD14_2: D14.2 R118.2
NetD14_XY_1: D14_XY.1 R120_XY.1 R121_XY.1
NetD14_XY_2: D14_XY.2 J7_XY.1 J7_XY.2
NetD14_YZ_1: D14_YZ.1 R120_YZ.1 R121_YZ.1
NetD14_YZ_2: D14_YZ.2 J7_YZ.1 J7_YZ.2
NetD14_ZX_1: D14_ZX.1 R120_ZX.1 R121_ZX.1
NetD14_ZX_2: D14_ZX.2 J7_ZX.1 J7_ZX.2
NetD15_2: D15.2 R119.2
NetD15_XY_2: D15_XY.2 L5_XY.2 U32_XY.1 U32_XY.2 U32_XY.5 U32_XY.6 U32_XY.8
NetD15_YZ_2: D15_YZ.2 L5_YZ.2 U32_YZ.1 U32_YZ.2 U32_YZ.5 U32_YZ.6 U32_YZ.8
NetD15_ZX_2: D15_ZX.2 L5_ZX.2 U32_ZX.1 U32_ZX.2 U32_ZX.5 U32_ZX.6 U32_ZX.8
NetD16_2: D16.2 R120.2
NetD17_1: D17.1 J10.1
NetD21_1: D21.1 J5.1
NetJ1_2: J1.2 R62.2
NetJ1_3: J1.3 R63.2
NetJ1_4: J1.4 R64.2
NetJ2_2: J2.2 R69.2
NetJ2_3: J2.3 R70.2
NetJ2_4: J2.4 R71.2
NetJ3_1: J3.1 R72.2
NetJ3_2: J3.2 R73.2
NetJ11_1: J11.1 R130.2
NetJ11_2: J11.2 R131.2
NetL1_1: L1.1 U1.4
NetL1_2: L1.2 U1.3
NetL2_1: L2.1 U4.4
NetL2_2: L2.2 U4.3
NetL3_A_1: L3_A.1 U7_A.8 U7_A.9
NetL3_A_2: L3_A.2 U7_A.6 U7_A.7
NetL3_B_1: L3_B.1 U7_B.8 U7_B.9
NetL3_B_2: L3_B.2 U7_B.6 U7_B.7
NetL4_2: L4.2 U10.2
NetL5_XY_1: L5_XY.1 R118_XY.2 R121_XY.2 R123_XY.1 U29_XY.4 U30_XY.4
NetL5_YZ_1: L5_YZ.1 R118_YZ.2 R121_YZ.2 R123_YZ.1 U29_YZ.4 U30_YZ.4
NetL5_ZX_1: L5_ZX.1 R118_ZX.2 R121_ZX.2 R123_ZX.1 U29_ZX.4 U30_ZX.4
NetQ1_1: Q1.1 Q1.2 Q1.5 Q1.6 Q1.8 R7.2 U2.7
NetQ2_1: Q2.1 Q2.2 Q2.5 Q2.6 Q2.8 R8.2 U3.7
NetQ3_1: Q3.1 Q3.2 Q3.5 Q3.6 Q3.8 R19.2 U5.7
NetQ4_3: Q4.3 R11.1
NetQ5_3: Q5.3 R20.2 U5.4
NetQ6_A_1: Q6_A.1 Q6_A.2 Q6_A.5 Q6_A.6 Q6_A.8 R29_A.2 R30_A.2 U8_A.7
NetQ6_B_1: Q6_B.1 Q6_B.2 Q6_B.5 Q6_B.6 Q6_B.8 R29_B.2 R30_B.2 U8_B.7
NetQ7_A_3: Q7_A.3 R31_A.2 U8_A.4
NetQ7_B_3: Q7_B.3 R31_B.2 U8_B.4
NetQ8_1: Q8.1 Q8.2 Q8.5 Q8.6 Q8.8 R41.2 R42.2 U11.7
NetQ9_3: Q9.3 R43.2 U11.4
NetQ10_M_1: Q10_M.1 Q10_M.2 Q10_M.5 Q10_M.6 Q10_M.8 R49_M.2 R50_M.2 U13_M.7
NetQ10_M_4: Q10_M.4 Q10_M.7 Q11_M.4 Q11_M.7
NetQ10_N_1: Q10_N.1 Q10_N.2 Q10_N.5 Q10_N.6 Q10_N.8 R49_N.2 R50_N.2 U13_N.7
NetQ10_N_4: Q10_N.4 Q10_N.7 Q11_N.4 Q11_N.7
NetQ12_M_3: Q12_M.3 R51_M.2 U13_M.4
NetQ12_N_3: Q12_N.3 R51_N.2 U13_N.4
NetR2_2: R2.2 U1.1
NetR3_2: R3.2 R4.2 R5.2 R6.1 U1.9
NetR12_2: R12.2 U4.1
NetR13_2: R13.2 R14.2 R15.2 R16.1 U4.9
NetR21_2: R21.2 U6.3
NetR26_A_1: R26_A.1 R27_A.2 U7_A.3
NetR26_B_1: R26_B.1 R27_B.2 U7_B.3
NetR32_A_2: R32_A.2 U9_A.3
NetR32_B_2: R32_B.2 U9_B.3
NetR38_2: R38.2 R39.2 U10.6
NetR46_2: R46.2 U12.3
NetR47_1: R47.1 U12.1
NetR53_M_2: R53_M.2 U14_M.3
NetR53_N_2: R53_N.2 U14_N.3
NetR56_M_1: R56_M.1 U14_M.1
NetR56_N_1: R56_N.1 U14_N.1
NetR60_2: R60.2 SW1.1 SW1.2 U17.3
NetR67_2: R67.2 SW2.1 SW2.2 U20.3
NetR111_2: R111.2 U26.3
NetR112_2: R112.2 U26.7
NetR117_XY_2: R117_XY.2 U29_XY.3
NetR117_YZ_2: R117_YZ.2 U29_YZ.3
NetR117_ZX_2: R117_ZX.2 U29_ZX.3
NetR120_XY_2: R120_XY.2 U30_XY.3
NetR120_YZ_2: R120_YZ.2 U30_YZ.3
NetR120_ZX_2: R120_ZX.2 U30_ZX.3
nRESET: J2.1 R68.2 U18.14 U20.6
nRESET_SR: J1.1 R61.2 U15.7 U17.6
OBC_2_EPS: H1.13 U19.3
OBC_2_SR: H1.22 U16.3
OTG_DM: D18.1 J10.2 U18.70
OTG_DP: D19.1 J10.3 U18.71
OTG_ID: D20.1 J10.4 U18.69
PC14: C68.1 U18.8 Y3.1
PC14_SR: C53.1 U15.3 Y1.1
PC15: C69.1 U18.9 Y3.2
PC15_SR: C54.1 U15.4 Y1.2
PG_3V3_1_BUCK: R28_A.1 U7_A.14 U18.65
PG_3V3_1_OCP: U8_A.5 U18.66
PG_3V3_2_BUCK: R28_B.1 U7_B.14 U18.80
PG_3V3_2_OCP: U8_B.5 U18.7
PG_UNREG1: U13_M.5 U18.45
PG_UNREG2: U13_N.5 U18.46
PH0: C71.1 U18.12 Y4.3
PH0_SR: C56.1 U15.5 Y2.3
PH1: C70.1 U18.13 Y4.1
PH1_SR: C55.1 U15.6 Y2.1
QUADSPI_BK1_IO0: U18.43 U26.5
QUADSPI_BK1_IO1: U18.44 U26.2
QUADSPI_BK1_NCS: R127.2 U18.42 U26.1
QUADSPI_CLK: U18.41 U26.6
RBF_OPEN: H2.49
SPI2_MISO: U18.53
SPI2_MOSI: U18.54
SPI2_SCK: U18.84
SR_2_EPS: R59.1 U19.1
SR_2_OBC: H1.24 R58.1
SWCLK: R70.1 U18.76
SWCLK_SR: R63.1 U15.37
SWDIO: R69.1 U18.72
SWDIO_SR: R62.1 U15.34
SWO: R71.1 U18.89
SWO_SR: R64.1 U15.39
TDI: R73.1 U18.77
TDI_SR: R131.1 U15.38
TIM3_CH1: J8.9 U18.63
TIM3_CH2: J8.10 U18.64
TRST: R72.1 U18.90
TRST_SR: R130.1 U15.40
UART4_RX: J8.5 U18.79
UART4_TX: J8.6 U18.78
UNREG_1: C47_M.2 H2.33 H2.34 H2.35 H2.36 R54_M.2 R55_M.2 U14_M.4
UNREG_2: C47_N.2 H2.37 H2.38 H2.39 H2.40 R54_N.2 R55_N.2 U14_N.4
USART1_RX_SR: D23.1 J5.3 U15.31
USART1_TX_SR: D22.1 J5.2 U15.30
USART2_RX: U18.87 U19.6
USART2_RX_SR: U15.13 U16.6
USART2_TX: R65.2 U18.86
USART2_TX_SR: R59.2 U15.12
USART3_RX: U18.48 U19.4
USART3_RX_SR: U15.22 U16.4
USART3_TX: R66.2 U18.47
USART3_TX_SR: R58.2 U15.21
VBUS: C1.2 C2.2 C12.2 C13.2 C23_A.2 C23_B.2 C24_A.2 C24_B.2 C34.2 C35.2 J9.1 J9.2 J9.3 J9.4 L4.1 R1.2 R10.2 R49_M.1 R49_N.1 R50_M.1 R50_N.1 R51_M.1 R51_N.1 U1.2 U1.7 U4.2 U4.7 U7_A.10 U7_A.11 U7_A.13 U7_B.10 U7_B.11 U7_B.13 U10.3 U13_M.8 U13_N.8
VCC_OR: C72.2 C73.2 C74.2 C75.2 C77.2 D9.3 U21.8 U22.8 U23.8 U24.8 U25.8
VDD_EPS: C11.1 C57.1 C58.1 C59.1 C60.1 C61.1 C62.1 C63.1 C64.2 C65.2 C66.1 C67.1 C78.1 C79.1 C81.1 C83_XY.1 C83_YZ.1 C83_ZX.1 C85_XY.1 C85_YZ.1 C85_ZX.1 D9.2 Q2.4 Q2.7 R68.1 R74.1 R75.1 R76.1 R77.1 R78.1 R111.1 R112.1 R127.1 R128.2 R129.2 SW2.3 SW2.4 U3.3 U18.11 U18.21 U18.22 U18.28 U18.50 U18.75 U18.100 U19.5 U20.1 U26.8 U27.3 U28.3 U29_XY.5 U29_YZ.5 U29_ZX.5 U30_XY.5 U30_YZ.5 U30_ZX.5 U31_XY.5 U31_YZ.5 U31_ZX.5 U33.5
VDD_MCU: C22.2 H1.45 H1.46 R22.2 U6.4
VDD_SR: C9.1 C48.1 C49.1 C50.1 C51.2 C52.1 C98.1 D9.1 Q1.4 Q1.7 R61.1 R117.1 R118.1 R119.1 R120.1 SW1.3 SW1.4 U2.3 U15.1 U15.9 U15.24 U15.36 U15.48 U16.5 U17.1
Vout_Panels: C88.1 C89.1 C90.1 C91.1 C92.1 C93.1 C94.1 C95.1 D15_XY.1 D15_YZ.1 D15_ZX.1 J9.9 J9.10 R125.1
WAKE: U18.67 U20.5
WAKE_SR: U15.32 U17.5
pads on no net: H1.5 H1.6 H1.7 H1.8 H1.9 H1.10 H1.11 H1.12 H1.14 H1.16 H1.17 H1.18 H1.19 H1.20 H1.21 H1.23 H1.27 H1.28 H1.29 H1.30 H1.31 H1.32 H1.35 H1.36 H1.37 H1.38 H1.39 H1.40 H1.41 H1.42 H1.43 H1.44 H2.1 H2.2 H2.3 H2.4 H2.5 H2.6 H2.7 H2.8 H2.9 H2.10 H2.11 H2.12 H2.13 H2.14 H2.15 H2.16 H2.17 H2.18 H2.19 H2.20 H2.21 H2.22 H2.23 H2.24 H2.27 H2.28 H2.41 H2.42 H2.43 H2.44 H2.45 H2.46 H2.48 U2.2 U2.5 U3.2 U3.5 U5.2 U5.5 U8_A.2 U8_B.2 U11.2 U13_M.2 U13_N.2 U15.29 U15.44 U18.6 U18.62 U18.73 U18.91 U18.94 U18.95 U27.5 U27.8 U28.5 U28.8
copper on no net: | length 15165.3
  Top Layer w10: 0,47.24 ccw(c47.24,47.24) 47.24,0 1441.34,0 ccw(c1441.34,47.24) 1488.58,47.24 1488.58,67.72 cw(c1535.83,67.72) 1535.83,114.96 2239.37,114.96 cw(c2239.37,67.72) 2286.61,67.72 2286.61,47.24 ccw(c2333.86,47.24) 2333.86,0 3727.95,0 ccw(c3727.95,47.24) 3775.2,47.24 3775.2,1282.68 ccw(c3727.95,1282.68) 3727.95,1329.92 3727.56,1329.92 3707.09,1329.92 cw(c3707.09,1377.17) 3659.84,1377.17 3659.84,2082.68 cw(c3707.09,2082.68) 3707.09,2129.92 3707.29,2129.92 3727.95,2129.92 ccw(c3727.95,2177.17) 3775.2,2177.17 3775.2,3502.76 ccw(c3727.95,3502.76) 3727.95,3550 2333.86,3550 ccw(c2333.86,3502.76) 2286.61,3502.76 2286.61,3482.28 cw(c2239.37,3482.28) 2239.37,3435.04 1535.83,3435.04 cw(c1535.83,3482.28) 1488.58,3482.28 1488.58,3502.76 ccw(c1441.34,3502.76) 1441.34,3550 47.24,3550 ccw(c47.24,3502.76) 0,3502.76 0,2177.17 ccw(c47.24,2177.17) 47.24,2129.92 67.72,2129.92 cw(c67.72,2082.68) 114.96,2082.68 114.96,1377.17 cw(c67.72,1377.17) 67.72,1329.92 47.24,1329.92 ccw(c47.24,1282.68) 0,1282.68 0,47.24

## Polygon pours and split planes (outlines as drawn)
no net on gnd (split plane): 330 vertices, not listed, extent 20.05,20.05 3755.15,3529.95
no net on vdd eps (split plane): 330 vertices, not listed, extent 20.05,20.05 3755.15,3529.95